# KiCad board TERES_PCB1-A64-MAIN_Rev.B.kicad_pcb (continued)
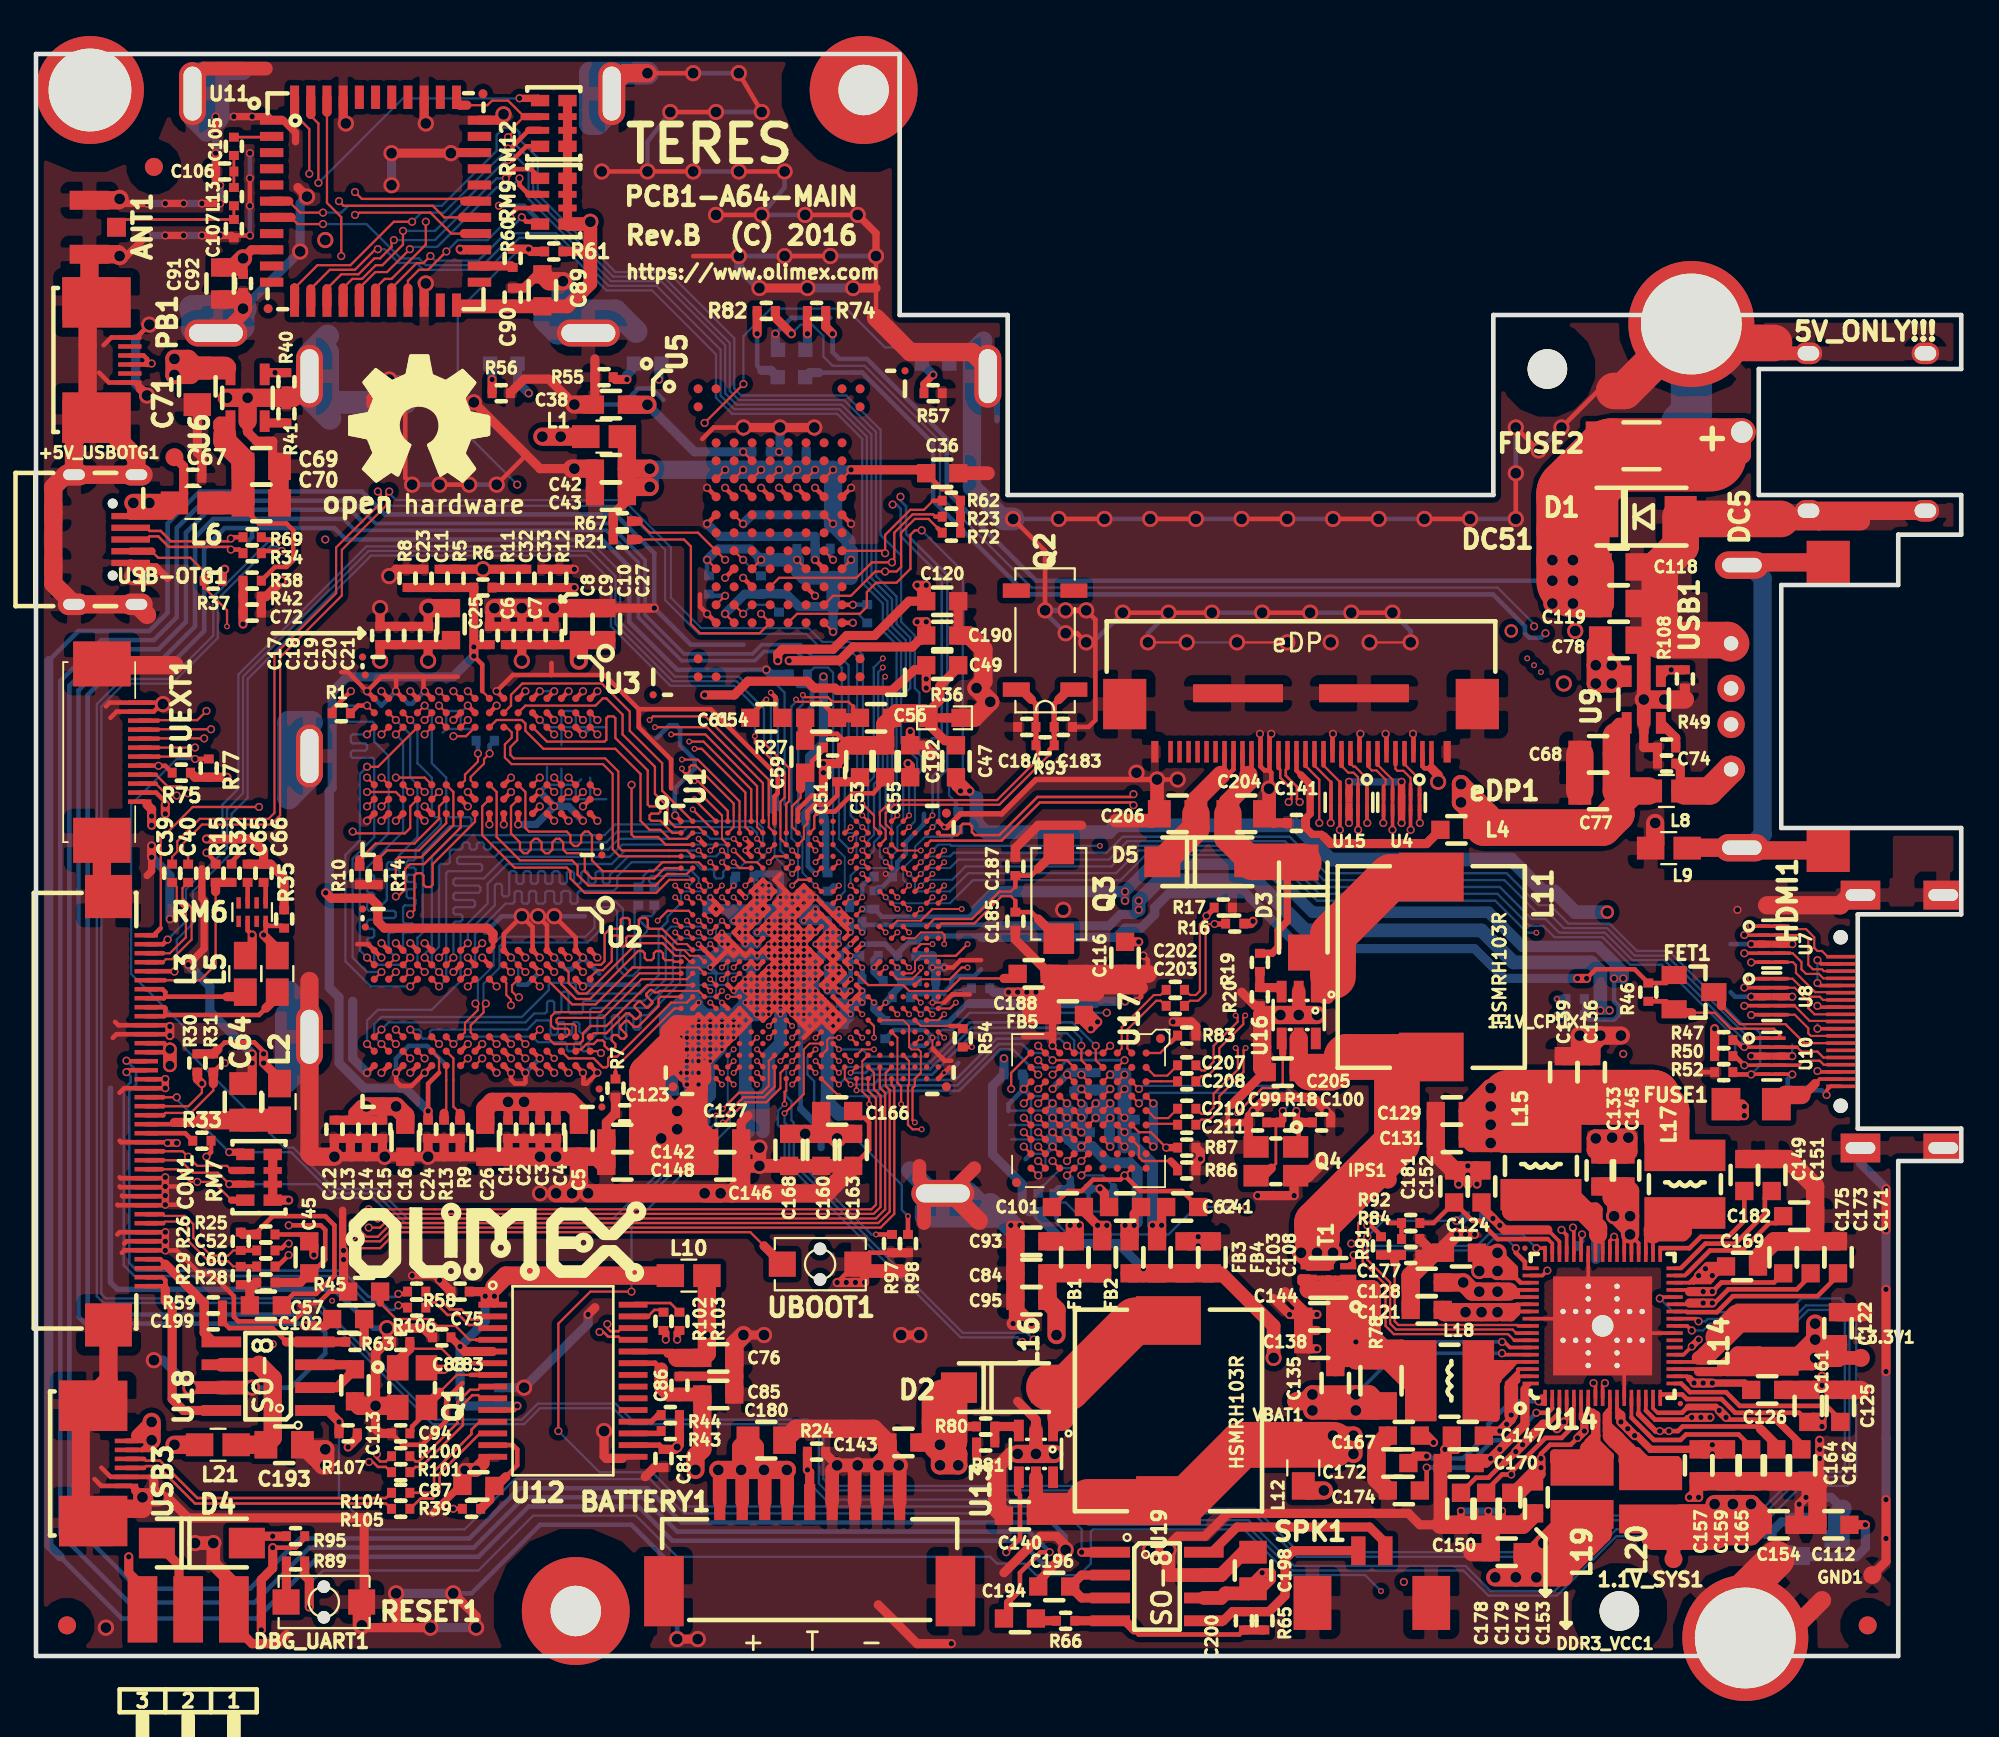
[diagram p0: board, top side]
## Nets (continued)
/NAND Flash , eMMC, T-Card and Audio/MBIAS: C45.2 R25.2 U1.E14
/NAND Flash , eMMC, T-Card and Audio/MICIN1_N: C60.2 U1.B16
/NAND Flash , eMMC, T-Card and Audio/MICIN1_P: C52.2 U1.B15
/NAND Flash , eMMC, T-Card and Audio/MICIN2_N: C40.1 U1.A17
/NAND Flash , eMMC, T-Card and Audio/MICIN2_P: C39.1 U1.B17
/NAND Flash , eMMC, T-Card and Audio/SDC0-CLK: R33.2 U1.AC8
/NAND Flash , eMMC, T-Card and Audio/SDC0-CMD: CON1.20 R31.1 U1.W9
/NAND Flash , eMMC, T-Card and Audio/SDC0-D0: CON1.16 RM7.3.2 U1.W13
/NAND Flash , eMMC, T-Card and Audio/SDC0-D1: CON1.15 RM7.2.2 U1.AB10
/NAND Flash , eMMC, T-Card and Audio/SDC0-D2: CON1.22 RM7.4.2 U1.AB9
/NAND Flash , eMMC, T-Card and Audio/SDC0-D3: CON1.21 R30.1 U1.AB6
/NAND Flash , eMMC, T-Card and Audio/SDC0-DET#: CON1.14 RM7.1.2 U1.AB8
/NAND Flash , eMMC, T-Card and Audio/SDC2-CLK: R68.2 U1.G20
/NAND Flash , eMMC, T-Card and Audio/SDC2-CMD: R21.1 U1.K19 U5.P5
/NAND Flash , eMMC, T-Card and Audio/SDC2-D0: R67.1 U1.M21 U5.K2
/NAND Flash , eMMC, T-Card and Audio/SDC2-D1: R79.1 U1.L19 U5.N2
/NAND Flash , eMMC, T-Card and Audio/SDC2-D2: R76.1 U1.K20 U5.K3
/NAND Flash , eMMC, T-Card and Audio/SDC2-D3: R73.1 U1.H20 U5.N3
/NAND Flash , eMMC, T-Card and Audio/SDC2-D4: R72.1 U1.P18 U5.N8
/NAND Flash , eMMC, T-Card and Audio/SDC2-D5: R71.1 U1.L20 U5.K8
/NAND Flash , eMMC, T-Card and Audio/SDC2-D6: R70.1 U1.J21 U5.N9
/NAND Flash , eMMC, T-Card and Audio/SDC2-D7: R62.1 U1.R21 U5.K9
/NAND Flash , eMMC, T-Card and Audio/SDC2-RST: R23.1 U1.N20 U5.M5
/NAND Flash , eMMC, T-Card and Audio/SPKR_N: C199.1 CON1.3 CON1.4 R59.1 U18.5
/NAND Flash , eMMC, T-Card and Audio/SPKR_P: CON1.1 CON1.2 U18.8
/Power Supply, Extensions and MiPi-DSI/DC5SET: R84.2 R92.1 U14.62
/Power Supply, Extensions and MiPi-DSI/HS_DAT: EUEXT1.4 U1.G19
/Power Supply, Extensions and MiPi-DSI/HS_STR: EUEXT1.3 U1.H19
/Power Supply, Extensions and MiPi-DSI/LIDSW: HALLSW1.2 R110.1 U1.V9
/R_S0SCK_N: R4.2 U1.G3
/R_S0SCK_P: R3.2 U1.G2
/S0SA0: U1.P5 U2.N3 U3.N3
/S0SA1: U1.R4 U2.P7 U3.P7
/S0SA2: U1.N5 U2.P3 U3.P3
/S0SA3: U1.N6 U2.N2 U3.N2
/S0SA4: U1.P6 U2.P8 U3.P8
/S0SA5: U1.G4 U2.P2 U3.P2
/S0SA6: U1.F3 U2.R8 U3.R8
/S0SA7: U1.E4 U2.R2 U3.R2
/S0SA8: U1.D3 U2.T8 U3.T8
/S0SA9: U1.C4 U2.R3 U3.R3
/S0SA10: U1.M4 U2.L7 U3.L7
/S0SA11: U1.U4 U2.R7 U3.R7
/S0SA12: U1.K5 U2.N7 U3.N7
/S0SA13: U1.E8 U2.T3 U3.T3
/S0SA14: U1.K4 U2.T7 U3.T7
/S0SA15: U1.T4 U2.M7 U3.M7
/S0SBA0: U1.D8 U2.M2 U3.M2
/S0SBA1: U1.R3 U2.N8 U3.N8
/S0SBA2: U1.C6 U2.M3 U3.M3
/S0SCAS: U1.C9 U2.K3 U3.K3
/S0SCK_N: R2.1 R4.1 U2.K7 U3.K7
/S0SCK_P: R2.2 R3.1 U2.J7 U3.J7
/S0SCKE0: U1.J3 U2.K9 U3.K9
/S0SCKE1: U1.H6 U2.J9 U3.J9
/S0SCS0: U1.E5 U2.L2 U3.L2
/S0SCS1: U1.H5 U2.L1 U3.L1
/S0SDQ0: U1.L3 U2.F7
/S0SDQ1: U1.G1 U2.G2
/S0SDQ2: U1.H3 U2.F2
/S0SDQ3: U1.K1 U2.H7
/S0SDQ4: U1.H2 U2.E3
/S0SDQ5: U1.H1 U2.H3
/S0SDQ6: U1.L1 U2.H8
/S0SDQ7: U1.L2 U2.F8
/S0SDQ8: U1.T3 U2.A7
/S0SDQ9: U1.T2 U2.C8
/S0SDQ10: U1.T1 U2.B8
/S0SDQ11: U1.R2 U2.D7
/S0SDQ12: U1.N3 U2.A3
/S0SDQ13: U1.N2 U2.C2
/S0SDQ14: U1.N1 U2.C3
/S0SDQ15: U1.M2 U2.A2
/S0SDQ16: U1.E3 U3.F7
/S0SDQ17: U1.F2 U3.H8
/S0SDQ18: U1.E2 U3.H7
/S0SDQ19: U1.E1 U3.F8
/S0SDQ20: U1.B1 U3.E3
/S0SDQ21: U1.B2 U3.H3
/S0SDQ22: U1.A2 U3.G2
/S0SDQ23: U1.B3 U3.F2
/S0SDQ24: U1.C5 U3.B8
/S0SDQ25: U1.B4 U3.D7
/S0SDQ26: U1.A4 U3.C8
/S0SDQ27: U1.A5 U3.A7
/S0SDQ28: U1.A7 U3.C3
/S0SDQ29: U1.A8 U3.C2
/S0SDQ30: U1.B8 U3.A3
/S0SDQ31: U1.B9 U3.A2
/S0SDQM0: U1.J2 U2.E7
/S0SDQM1: U1.P3 U2.D3
/S0SDQM2: U1.C2 U3.E7
/S0SDQM3: U1.B7 U3.D3
/S0SDQS0_N: U1.K2 U2.G3
/S0SDQS0_P: U1.K3 U2.F3
/S0SDQS1_N: U1.P2 U2.B7
/S0SDQS1_P: U1.P1 U2.C7
/S0SDQS2_N: U1.D1 U3.G3
/S0SDQS2_P: U1.D2 U3.F3
/S0SDQS3_N: U1.B5 U3.B7
/S0SDQS3_P: U1.B6 U3.C7
/S0SODT0: U1.D5 U2.K1 U3.K1
/S0SODT1: U1.E7 U2.J1 U3.J1
/S0SRAS: U1.F7 U2.J3 U3.J3
/S0SRST: R1.1 U1.D10 U2.T2 U3.T2
/S0SVREF: C22.2 C32.1 C33.2 R6.2 R11.1 R12.2 U1.G5
/S0SWE: U1.C8 U2.L3 U3.L3
/USB&HDMI,WiFi&BT,Ethernet,LCD/AP-WAKE-BT: U1.B20 U11.6
/USB&HDMI,WiFi&BT,Ethernet,LCD/BT-PCM-CLK: U1.AB18 U11.26
/USB&HDMI,WiFi&BT,Ethernet,LCD/BT-PCM-DIN: U1.AC19 U11.27
/USB&HDMI,WiFi&BT,Ethernet,LCD/BT-PCM-DOUT: U1.U22 U11.25
/USB&HDMI,WiFi&BT,Ethernet,LCD/BT-PCM-SYNC: U1.AB19 U11.28
/USB&HDMI,WiFi&BT,Ethernet,LCD/BT-RST-N: RM12.3.2 U1.A20 U11.34
/USB&HDMI,WiFi&BT,Ethernet,LCD/BT-UART-CTS: U1.AC17 U11.44
/USB&HDMI,WiFi&BT,Ethernet,LCD/BT-UART-RX: RM12.4.2 U1.AB17 U11.43
/USB&HDMI,WiFi&BT,Ethernet,LCD/BT-UART-TX: U1.U23 U11.42
/USB&HDMI,WiFi&BT,Ethernet,LCD/BT-WAKE-AP: U1.D19 U11.7
/USB&HDMI,WiFi&BT,Ethernet,LCD/HCEC: FET1.2 R46.2 U1.F21 U10.1 U10.10
/USB&HDMI,WiFi&BT,Ethernet,LCD/HHPD: R51.1 R52.1 U1.E21 U10.5 U10.6
/USB&HDMI,WiFi&BT,Ethernet,LCD/HSCL: HDMI1.15 R47.2 U1.G21 U10.2 U10.9
/USB&HDMI,WiFi&BT,Ethernet,LCD/HSDA: HDMI1.16 R50.2 U1.E20 U10.4 U10.7
/USB&HDMI,WiFi&BT,Ethernet,LCD/HTX0_N: HDMI1.9 U1.G23 U8.2 U8.9
/USB&HDMI,WiFi&BT,Ethernet,LCD/HTX0_P: HDMI1.7 U1.G22 U8.1 U8.10
/USB&HDMI,WiFi&BT,Ethernet,LCD/HTX1_N: HDMI1.6 U1.F22 U7.5 U7.6
/USB&HDMI,WiFi&BT,Ethernet,LCD/HTX1_P: HDMI1.4 U1.E23 U7.4 U7.7
/USB&HDMI,WiFi&BT,Ethernet,LCD/HTX2_N: HDMI1.3 U1.E22 U7.2 U7.9
/USB&HDMI,WiFi&BT,Ethernet,LCD/HTX2_P: HDMI1.1 U1.D23 U7.1 U7.10
/USB&HDMI,WiFi&BT,Ethernet,LCD/HTXC_N: HDMI1.12 U1.H23 U8.5 U8.6
/USB&HDMI,WiFi&BT,Ethernet,LCD/HTXC_P: HDMI1.10 U1.H22 U8.4 U8.7
/USB&HDMI,WiFi&BT,Ethernet,LCD/HUSB1-D+: R103.1 USB1.3
/USB&HDMI,WiFi&BT,Ethernet,LCD/HUSB1-D-: R102.1 USB1.2
/USB&HDMI,WiFi&BT,Ethernet,LCD/HUSB1-D_N: R102.2 U12.27
/USB&HDMI,WiFi&BT,Ethernet,LCD/HUSB1-D_P: R103.2 U12.28
/USB&HDMI,WiFi&BT,Ethernet,LCD/HUSB4-D+: R105.1 USB3.4
/USB&HDMI,WiFi&BT,Ethernet,LCD/HUSB4-D-: R104.1 USB3.3
/USB&HDMI,WiFi&BT,Ethernet,LCD/HUSB4-D_N: R104.2 U12.11
/USB&HDMI,WiFi&BT,Ethernet,LCD/HUSB4-D_P: R105.2 U12.12
/USB&HDMI,WiFi&BT,Ethernet,LCD/LED-CAPSLOCK: LED2.2 U1.AC5
/USB&HDMI,WiFi&BT,Ethernet,LCD/LED-NUMLOCK: LED1.2 U1.AC7
/USB&HDMI,WiFi&BT,Ethernet,LCD/LED-POWER: LED3.2 U1.AB5
/USB&HDMI,WiFi&BT,Ethernet,LCD/USB0-ID: R37.1 U1.AA8 USB-OTG1.4
/USB&HDMI,WiFi&BT,Ethernet,LCD/USB0-VBUSDET: C72.2 R38.1 R42.2 U1.AB4
/USB&HDMI,WiFi&BT,Ethernet,LCD/USB1-D_N: U1.C22 U12.25
/USB&HDMI,WiFi&BT,Ethernet,LCD/USB1-D_P: U1.B23 U12.26
/USB&HDMI,WiFi&BT,Ethernet,LCD/USB1-DRV: R108.2 U1.C19 U9.4
/USB&HDMI,WiFi&BT,Ethernet,LCD/WL-PMU-EN: RM12.2.2 U1.A19 U11.12
/USB&HDMI,WiFi&BT,Ethernet,LCD/WL-SDIO-CLK: R54.2 U1.V21
/USB&HDMI,WiFi&BT,Ethernet,LCD/WL-SDIO-CMD: RM9.3.2 U1.U20 U11.16
/USB&HDMI,WiFi&BT,Ethernet,LCD/WL-SDIO-D0: RM9.1.2 U1.U19 U11.18
/USB&HDMI,WiFi&BT,Ethernet,LCD/WL-SDIO-D1: RM9.2.2 U1.V22 U11.19
/USB&HDMI,WiFi&BT,Ethernet,LCD/WL-SDIO-D2: RM9.4.2 U1.Y21 U11.14
/USB&HDMI,WiFi&BT,Ethernet,LCD/WL-SDIO-D3: RM12.1.2 U1.W23 U11.15
/USB&HDMI,WiFi&BT,Ethernet,LCD/WL-WAKE-AP: U1.E19 U11.13
/VREF0_DDR3: C11.2 C23.1 C24.1 C25.1 R5.1 R6.1 R8.2 U2.H1 U2.M8 U3.H1 U3.M8
AP-CK32KO: R60.2 R61.1 U1.B18
AP-NMI#: R85.1 U1.G18 U14.61
AP-RESET#: C156.2 R89.2 U1.E17 U14.46
eDP_1.2V: C84.1 C95.1 C164.2 FB1.1 FB2.1 U14.14
eDP_2.5V: C103.1 C108.1 C162.2 C209.1 FB3.1 FB4.1 R94.1 R99.1 U1.U16 U14.16
FC_HPDET: CON1.35 R15.1 R32.1
FC_HPOUTFB: CON1.36 U1.C10
FC_HPOUTL: CON1.31 CON1.32 L5.2
FC_HPOUTR: CON1.33 CON1.34 L3.2
HUSB2-D_N: R58.2 U12.2
HUSB2-D_P: R106.2 U12.3
HUSB3-D_N: R100.1 U12.8
HUSB3-D_P: R101.1 U12.9
IC-CLK: EUEXT1.9 U1.P20
IC-CS: EUEXT1.10 U1.P19
IC-MISO: EUEXT1.8 U1.K18
IC-MOSI: EUEXT1.7 U1.T21
IPS: C126.2 C128.1 C133.2 C140.2 C145.2 C147.1 C153.2 C157.2 C159.2 C167.2 C169.1 C176.2 C205.1 CHGLED1.2 IPS1.1 L11.1 L12.2 L16.1 L21.2 T1.4 T1.8 U13.5 U14.4 U14.6 U14.11 U14.15 U14.19 U14.22 U14.32 U14.38 U14.39 U14.40 U14.55 U14.56 U14.66 U14.67 U16.5
PA-ENABLE: R107.1 U1.D22 U18.1 U19.1
PMU-SCK: R88.1 U1.D17 U14.47
PMU-SDA: R90.1 U1.C17 U14.48
T_BAT: BATTERY1.5 R24.1 U14.30
TWI0-SCK: R99.2 U1.W11 U17.E8
TWI0-SDA: R94.2 U1.AA10 U17.E9
TWI1-SCK: EUEXT1.5 R75.2 U1.AC4
TWI1-SDA: EUEXT1.6 R77.2 U1.AA9
USB0-D_N: R69.2 U1.B22 USB-OTG1.2
USB0-D_P: R34.2 U1.A22 USB-OTG1.3
USB0-DRV: R40.2 U6.4 U14.51
USB5V: C68.2 C77.2 CON1.27 CON1.28 L4.2 L8.1 U9.1
Net-(ANT1-Pad1): ANT1.1 C107.2 L13.2
Net-(C35-Pad2): C35.2 C36.2 C42.1 C43.1 C44.1 L1.2 R21.2 R23.2 R62.2 R67.2 R70.2 R71.2 R72.2 R73.2 R76.2 R79.2 U5.F2 U5.F3 U5.F4 U5.F5 U5.F6 U5.F7 U5.F8 U5.F9 U5.H3 U5.H8 U5.L2 U5.L4 U5.L7 U5.L9 U5.P3 U5.P8
Net-(C37-Pad2): C37.2 C38.2 U5.E4
Net-(C39-Pad2): C39.2 CON1.38
Net-(C40-Pad2): C40.2 CON1.37
Net-(C51-Pad1): C51.1 C53.1 U1.C11
Net-(C54-Pad2): C54.2 C56.2 U1.F12 U1.G13
Net-(C55-Pad1): C55.1 U1.B12
Net-(C57-Pad1): C57.1 R28.1 R29.2
Net-(C57-Pad2): C57.2 R25.1 R26.2
Net-(C59-Pad1): C59.1 R27.1 U1.B11
Net-(C61-Pad1): C61.1 U1.E11
Net-(C61-Pad2): C61.2 U1.E10
Net-(C64-Pad1): C64.1 CON1.19 L2.2
Net-(C65-Pad2): C65.2 RM6.2.2
Net-(C66-Pad2): C66.2 RM6.4.2
Net-(C69-Pad2): C69.2 C70.2 L6.1 R38.2 U6.1
Net-(C74-Pad1): C74.1 L8.2 USB1.1
Net-(C75-Pad1): C75.1 C82.1 C83.1 L10.2 U12.1 U12.5 U12.10
Net-(C76-Pad1): C76.1 C81.1 L10.1 R43.1 R44.1 U12.16 U12.24
Net-(C87-Pad1): C87.1 R39.2 U12.13
Net-(C88-Pad1): C88.1 Q1.1 U12.6
Net-(C94-Pad1): C94.1 Q1.2 U12.7
Net-(C99-Pad1): C99.1 Q4.2 R18.2 U17.B4
Net-(C100-Pad2): C100.2 Q4.1 R18.1 U17.B3
Net-(C102-Pad1): C102.1 R63.2
Net-(C105-Pad1): C105.1 U11.2
Net-(C105-Pad2): C105.2 C106.2 L13.1
Net-(C113-Pad1): C113.1 U18.2 U18.3
Net-(C114-Pad2): C114.2 C195.2 R48.2 U1.N19 U1.U18
Net-(C118-Pad2): C118.2 C119.2 C121.1 D1.C DC5.1 DC51.1 FUSE2.1 FUSE2.2 R74.1 U14.57 U14.58
Net-(C125-Pad2): C125.2 U14.18
Net-(C135-Pad1): C135.1 C138.1 C144.1 L18.1 R78.1 T1.1 T1.2 T1.5 T1.6 T1.7 U14.63
Net-(C141-Pad1): C141.1 eDP1.16 L4.1
Net-(C149-Pad1): C149.1 U14.35
Net-(C151-Pad1): C151.1 U14.34
Net-(C165-Pad2): C165.2 U14.13
Net-(C172-Pad2): C172.2 U14.1
Net-(C174-Pad2): C174.2 U14.2
Net-(C177-Pad2): C177.2 R91.2 U14.60
Net-(C181-Pad2): C181.2 R92.2 U14.50
Net-(C182-Pad2): C182.2 U14.33
Net-(C183-Pad1): C183.1 Q2.2 R93.1 U1.B19
Net-(C184-Pad1): C184.1 Q2.1 R93.2 U1.C18
Net-(C185-Pad1): C185.1 Q3.1 U1.K23
Net-(C187-Pad1): C187.1 Q3.2 U1.K22
Net-(C188-Pad2): C188.2 U1.P16
Net-(C192-Pad2): C192.2 U1.G16
Net-(C193-Pad1): C193.1 L21.1 U18.6
Net-(C194-Pad1): C194.1 R66.2
Net-(C196-Pad1): C196.1 U19.2 U19.3
Net-(C198-Pad1): C198.1 L12.1 U19.6
Net-(C199-Pad2): C199.2 R59.2 R63.1 U18.4
Net-(C200-Pad1): C200.1 R65.1 SPK1.1 U19.5
Net-(C200-Pad2): C200.2 R65.2 R66.1 U19.4
Net-(CHGLED1-Pad1): CHGLED1.1 R82.2
Net-(CON1-Pad18): CON1.18 R33.1
Net-(D2-Pad2): D2.2 L16.2 U13.1
Net-(D3-Pad2): D3.2 L11.2 U16.1
Net-(D4-Pad1): D4.1 DBG_UART1.2
Net-(D4-Pad2): D4.2 R95.1 U1.Y7
Net-(DBG_UART1-Pad3): DBG_UART1.3 U1.V10
Net-(eDP1-Pad25): eDP1.25
Net-(eDP1-Pad26): eDP1.26
Net-(eDP1-Pad27): eDP1.27
Net-(eDP1-Pad28): eDP1.28
Net-(eDP1-Pad29): eDP1.29
Net-(eDP1-Pad30): eDP1.30
Net-(FET1-Pad3): FET1.3 HDMI1.13
Net-(FUSE1-Pad2): FUSE1.2 HDMI1.18
Net-(HDMI1-Pad14): HDMI1.14
Net-(HDMI1-Pad19): HDMI1.19 R51.2
Net-(L9-Pad2): L9.2 USB1.0
Net-(L14-Pad1): L14.1 U14.21
Net-(L15-Pad1): L15.1 U14.43 U14.44
Net-(L17-Pad1): L17.1 U14.36 U14.37
Net-(L18-Pad2): L18.2 U14.65
Net-(L19-Pad1): L19.1 U14.7
Net-(L20-Pad1): L20.1 U14.10
Net-(LED1-Pad1): LED1.1 R55.1
Net-(LED2-Pad1): LED2.1 R56.1
Net-(LED3-Pad1): LED3.1 R57.1
Net-(PB1-Pad2): PB1.2
Net-(PB1-Pad3): PB1.3 PB1.4 R91.1
Net-(PB1-Pad5): PB1.5
Net-(PWRLED1-Pad2): PWRLED1.2 R74.2
Net-(R7-Pad2): R7.2 U1.U1
Net-(R9-Pad1): R9.1 U2.L8
Net-(R10-Pad1): R10.1 U3.L8
Net-(R13-Pad1): R13.1 U2.L9
Net-(R14-Pad1): R14.1 U3.L9
Net-(R19-Pad2): R19.2 R20.1 U16.3
Net-(R22-Pad1): R22.1 R53.1 U17.F9
Net-(R34-Pad1): R34.1 U14.26
Net-(R41-Pad2): R41.2 U6.3
Net-(R43-Pad2): R43.2 U12.17
Net-(R44-Pad2): R44.2 U12.18
Net-(R45-Pad2): R45.2 U12.4
Net-(R49-Pad2): R49.2 U9.3
Net-(R54-Pad1): R54.1 U11.17
Net-(R60-Pad1): R60.1 U11.24
Net-(R68-Pad1): R68.1 U5.P6
Net-(R69-Pad1): R69.1 U14.27
Net-(R80-Pad2): R80.2 R81.1 U13.3
Net-(R82-Pad1): R82.1 U14.53
Net-(R83-Pad1): R83.1 U17.A1
Net-(R86-Pad1): R86.1 U17.B7
Net-(R89-Pad1): R89.1 RESET1.1
Net-(R96-Pad1): R96.1 U1.H14
Net-(R97-Pad1): R97.1 U1.AA11
Net-(R98-Pad1): R98.1 U1.AA12
Net-(R109-Pad2): R109.2 U1.U21
Net-(SPK1-Pad2): SPK1.2 U19.8
Net-(T1-Pad3): T1.3 U14.52
Net-(U1-PadA13): U1.A13
Net-(U1-PadA14): U1.A14
Net-(U1-PadA16): U1.A16
Net-(U1-PadAA5): U1.AA5
Net-(U1-PadAA6): U1.AA6
Net-(U1-PadAA7): U1.AA7
Net-(U1-PadAA18): U1.AA18
Net-(U1-PadAA19): U1.AA19
Net-(U1-PadAA21): U1.AA21
Net-(U1-PadAA22): U1.AA22
Net-(U1-PadAB7): U1.AB7
Net-(U1-PadAB20): U1.AB20
Net-(U1-PadAB21): U1.AB21
Net-(U1-PadAB22): U1.AB22
Net-(U1-PadAB23): U1.AB23
Net-(U1-PadAC20): U1.AC20
Net-(U1-PadAC22): U1.AC22
Net-(U1-PadB13): U1.B13
Net-(U1-PadB14): U1.B14
Net-(U1-PadB21): U1.B21
Net-(U1-PadC14): U1.C14
Net-(U1-PadC20): U1.C20
Net-(U1-PadD14): U1.D14
Net-(U1-PadD20): U1.D20
Net-(U1-PadD21): U1.D21
Net-(U1-PadE16): U1.E16
Net-(U1-PadF16): U1.F16
Net-(U1-PadF17): U1.F17 UBOOT1.1
Net-(U1-PadL22): U1.L22
Net-(U1-PadL23): U1.L23
Net-(U1-PadM22): U1.M22
Net-(U1-PadN22): U1.N22
Net-(U1-PadN23): U1.N23
Net-(U1-PadP22): U1.P22
Net-(U1-PadP23): U1.P23
Net-(U1-PadR22): U1.R22
Net-(U1-PadT19): U1.T19
Net-(U1-PadT20): U1.T20
Net-(U1-PadT22): U1.T22
Net-(U1-PadT23): U1.T23
Net-(U1-PadW7): U1.W7
Net-(U1-PadW8): U1.W8
Net-(U1-PadW10): U1.W10
Net-(U1-PadW17): U1.W17
Net-(U1-PadW20): U1.W20
Net-(U1-PadW21): U1.W21
Net-(U1-PadW22): U1.W22
Net-(U1-PadY6): U1.Y6
Net-(U1-PadY8): U1.Y8
Net-(U1-PadY10): U1.Y10
Net-(U1-PadY17): U1.Y17
Net-(U1-PadY19): U1.Y19
Net-(U1-PadY22): U1.Y22
Net-(U1-PadY23): U1.Y23
Net-(U11-Pad3): U11.3
Net-(U11-Pad4): U11.4
Net-(U11-Pad5): U11.5
Net-(U11-Pad8): U11.8
Net-(U11-Pad10): U11.10
Net-(U11-Pad11): U11.11
Net-(U11-Pad21): U11.21
Net-(U11-Pad23): U11.23
Net-(U11-Pad29): U11.29
Net-(U11-Pad30): U11.30
Net-(U11-Pad32): U11.32
Net-(U11-Pad35): U11.35
Net-(U11-Pad37): U11.37
Net-(U11-Pad38): U11.38
Net-(U11-Pad39): U11.39
Net-(U11-Pad40): U11.40
Net-(U12-Pad19): U12.19
Net-(U12-Pad20): U12.20
Net-(U12-Pad21): U12.21
Net-(U12-Pad22): U12.22
Net-(U13-Pad6): U13.6
Net-(U14-Pad23): U14.23
Net-(U14-Pad24): U14.24
Net-(U17-PadA8): U17.A8
Net-(U17-PadA9): U17.A9
Net-(U17-PadB2): U17.B2
Net-(U17-PadB5): U17.B5
Net-(U17-PadB8): U17.B8
Net-(U17-PadC8): U17.C8
Net-(U17-PadC9): U17.C9
Net-(U17-PadD8): U17.D8
Net-(U17-PadD9): U17.D9
Net-(U17-PadE1): U17.E1
Net-(U17-PadJ5): U17.J5

Pads without a net: NOREF Fid1; NOREF#2 Fid1; NOREF#3 Fid1; NOREF#6 Fid1; NOREF#7 Fid1; NOREF#8 Fid1; Q2 3 4; RM6 1.1 1.2 3.1 3.2; U1 fid1 fid2 fid3; U2 FID1 FID2 FID3 FID4; U3 FID1 FID2 FID3 FID4; U5 A1 A2 A9 A10 B1 B10 D2 D3 D4 D5 D6 D7 D8 D9 E2 E3 E5 E6 E7 E8 E9 FID1 FID3 H4 H5 H6 H7 J2 J3 J4 J5 J6 J7 J8 J9 K4 K5 K6 K7 L5 L6 M2 M3 M6 M8 M9 N4 N5 N6 N7 P4 P7 T1 T10 U1 U2 U9 U10; U11 FID1 FID2; U14 Fid1 Fid2; U16 6; U17 0

## Via types
v1: diameter 0.9, hole 0.6, Top to Bottom, 258 vias
v2: diameter 0.45, hole 0.3, Top to Bottom, 688 vias
v3: diameter 0.75, hole 0.5, Top to Bottom, 6 vias
v4: diameter 0.327, hole 0.2, Top to Bottom, 293 vias
v5: diameter 0.406, hole 0.254, Top to Bottom, 44 vias
v6: diameter 0.6, hole 0.4, Top to Bottom, 2 vias

## Routing (per net, layer and track width the routed paths; a pad name or vN(x,y) marks a point on that pad's centre or on a via; arc(x,y) is an arc through that point)
1.1V_CPUS: length 141.1
  Top w0.127: U1.H15 v4(45.28,42.15)
  Top w0.203: U14.5 85.47,12.8
  Top w0.254: 85.47,12.8 84.78,12.12 83.9,12.12 81.99,10.21 v2(81.99,10.08) 81.48,10.08 80.59,9.19 C179.2
  Top w0.508: v2(41.22,55.3) 41.22,55.68 41.48,55.93 44.3,55.93 45.06,56.69 46.61,56.69 48.52,58.6 49.48,58.6 49.48,59.23 ; 49.48,59.23 49.22,59.23 v2(48.97,59.49) v2(49.48,59.49) 49.48,59.23
  In2.Cu w0.508: v2(48.97,59.49) v2(49.48,59.49) 51.51,61.52 78.56,61.52 82.25,57.84 83.64,57.84 83.9,57.58 84.91,57.58 v1(85.55,56.95)
  In3.Cu w0.254: v4(45.28,42.15) 46.35,43.23 46.35,47.55 44.32,49.58 44.32,50.09 44.06,50.34 43.64,50.34 41.35,52.63 41.35,53.9 41.22,54.03 v2(41.22,55.3)
  In3.Cu w0.508: v2(81.99,10.08) 82.88,9.19 84.53,9.19 84.78,9.45 87.07,9.45 88.34,10.72 89.99,10.72 91.77,12.5 94.18,12.5 94.69,13 94.69,18.47 96.22,19.99 96.22,23.04 95.58,23.67 95.58,30.78 92.66,33.71 92.66,37.13 90.63,39.17 88.59,39.17 88.21,39.55 88.21,41.71 87.32,42.6 87.32,52.12 85.8,53.65 85.8,56.44 85.55,56.69 v1(85.55,56.95)
  Bottom w0.406: v4(45.28,42.15) 45.28,41.67 C117.2
1.1V_CPUX: length 272.9
  Top w0.203: 39.43,35 39.75,35.33 39.43,35.65
  Top w0.254: v4(38.78,35) U1.V5 ; v4(38.78,35) U1.W5 ; v4(38.78,35) 39.1,34.67 ; v4(38.78,35) U1.V6 ; U1.V5 38.12,35.65 U1.V4 ; U1.V5 38.78,35.65 ; U1.V5 v5(38.12,35) ; v5(37.47,35) U1.V3 ; v5(37.47,35) U1.W3 ; v5(37.47,35) U1.V4 ; v5(37.47,35) U1.W4 ; U1.V3 37.47,35.65 U1.V4 ; U1.V3 36.82,35.65 U1.V2 ; U1.V3 v5(36.82,35) ; v5(38.12,34.35) U1.W4 ; v5(38.12,34.35) U1.W5 ; v5(38.12,34.35) 38.45,34.03 ; v5(38.12,34.35) U1.Y4 ; U1.W4 v5(38.12,35) ; U1.W4 v5(37.47,34.35) ; v4(38.12,33.7) U1.Y4 ; v4(38.12,33.7) 38.45,34.03 ; v4(38.12,33.7) 37.8,33.38 ; U1.Y4 v5(37.47,34.35) ; U1.Y4 v5(37.47,33.7) ; v4(37.47,33.05) U1.AA3 ; v4(37.47,33.05) 37.8,33.38 ; v4(37.47,33.05) 37.15,32.72 ; U1.AA3 v5(36.82,33.05) ; U1.AA3 v5(37.47,33.7) ; U1.AA3 v5(36.82,33.7) ; v5(36.82,34.35) U1.W3 ; v5(36.82,34.35) 36.5,34.67 ; v5(36.82,34.35) U1.Y3 ; v5(36.82,34.35) U1.Y2 ; U1.W3 v5(37.47,34.35) ; U1.W3 v5(36.82,35) ; v5(36.82,33.05) U1.AB2 ; v5(36.82,33.05) 36.5,33.38 ; v5(36.82,33.05) 37.15,32.72 ; U1.AB2 v5(36.18,33.05) ; U1.AB2 v5(36.82,32.4) ; U1.AB2 v5(36.18,32.4) ; 38.78,35.65 U1.V6 ; 38.78,35.65 U1.U6 39.43,35.65 U1.V6 ; U1.V6 39.43,35 39.1,34.67 ; v5(36.82,31.75) U1.AC2 ; U1.AC2 v5(36.18,31.75) U1.AC1 ; U1.AC2 v5(36.82,32.4) ; U1.AC2 v5(36.18,32.4) ; 35.85,34.03 v5(36.18,34.35) ; 35.85,34.03 35.53,34.35 U1.W1 ; 35.85,34.03 35.53,33.7 U1.AA1 ; 35.85,34.03 v5(36.18,33.7) ; v5(36.18,34.35) 36.5,34.67 ; v5(36.18,34.35) U1.W1 ; v5(36.18,34.35) U1.Y2 ; 35.85,32.72 v5(36.18,32.4) ; 35.85,32.72 35.53,32.4 ; 35.85,32.72 35.53,33.05 U1.AA1 ; 35.85,32.72 v5(36.18,33.05) ; v5(36.18,32.4) U1.AC1 ; 35.53,32.4 35.2,32.72 ; 35.53,32.4 U1.AC1 ; U1.V4 v5(38.12,35) ; U1.V2 v5(36.82,35) ; U1.V2 36.18,35 ; U1.AA1 v5(36.18,33.7) ; U1.AA1 v5(36.18,33.05) ; 37.15,32.72 v5(36.82,32.4) ; 36.5,33.38 v5(36.18,33.05) ; 36.5,33.38 v5(36.18,33.7) ; 36.5,33.38 v5(36.82,33.7) ; 36.18,35 U1.W1 ; 36.18,35 36.5,34.67 ; 36.5,34.67 v5(36.82,35) ; 37.8,33.38 v5(37.47,33.7) ; 38.45,34.03 v4(38.78,34.35) ; 39.1,34.67 v4(38.78,34.35) ; v4(38.78,34.35) U1.W5 ; U1.Y3 v5(37.47,33.7) ; U1.Y3 v5(36.82,33.7) ; U1.Y3 v5(37.47,34.35) ; v5(36.82,33.7) U1.Y2 ; v5(36.18,33.7) U1.Y2 ; U1.W5 v5(38.12,35)
  Top w0.508: 35.8,35.1 36.03,35.33 U1.V2 ; 33.99,30.1 33.27,30.1 C123.2 ; C139.2 84.78,31.67 1.1V_CPUX1.1 ; v5(36.82,33.05) v5(36.82,32.4)
  Top w0.762: v5(36.82,31.75) 37.15,32.08 37.15,32.72
  Top w1.016: v1(80.85,28.5) 83.31,28.5 L15.2 82.96,29.52 v1(80.85,29.52) ; v1(80.85,28.5) 79.83,28.5 C131.2 79.58,29.39 ; v1(80.85,28.5) v1(80.85,29.52) ; v1(80.85,29.52) 80.72,29.39 79.58,29.39 ; v1(80.85,29.52) v1(80.85,30.53) ; 35.8,35.1 35.62,35.1 35.2,34.67 35.2,32.72 ; v1(34.75,28.75) 35.13,28.75 v1(35.64,29.26) v1(35.64,30.28) ; v1(34.75,28.75) C142.2 ; v1(34.75,28.75) C137.2 ; v1(34.75,28.75) 34.75,29.39 v1(35.64,30.28) ; C142.2 33.48,28.89 33.99,29.4 ; C142.2 33.48,27.99 ; 36.82,31.47 v1(35.64,30.28) ; 36.82,31.47 36.82,29.34 36.78,29.39 ; 36.82,31.47 v5(36.82,31.75) ; v1(35.64,30.28) 35.64,29.77 36.4,29.77 36.78,29.39 ; v1(35.64,30.28) 35.38,30.28 33.99,31.67 33.99,32.36 ; 36.78,29.39 C137.2 ; 33.48,27.99 C148.2 C146.2 37.41,27.99 ; 33.48,27.99 37.41,27.99 ; 37.41,27.99 37.16,27.99 37.41,27.99 ; 37.41,27.99 C137.2 ; v1(80.85,30.53) 80.59,30.28 C129.2 ; v1(80.85,30.53) v1(80.85,31.55) C129.2 ; 79.58,29.39 C129.2 ; 86.44,31.04 C136.2 C139.2 81.86,31.55
  Top w1.524: 90.63,28.75 91.57,27.81 L17.2
  Top w2.032: 33.99,29.39 33.99,32.36 35.2,33.58
  Top w2.54: 90.63,28.75 90.63,30.28 89.87,31.04
  Top w3.048: 86.44,31.04 86.56,31.04 ; 86.56,31.04 89.87,31.04 89.61,31.04 ; 86.56,31.04 81.86,31.04
  In3.Cu w0.254: v4(38.78,34.35) v5(38.12,34.35) ; v4(38.78,34.35) 38.78,34.67 ; v4(38.78,34.35) v4(38.12,33.7) v4(37.47,33.05) ; v4(37.47,33.05) v5(36.82,32.4) ; v4(37.47,33.05) 37.47,33.38
  In3.Cu w0.406: 36.82,32.72 37.47,33.38 v5(37.47,33.7) ; 36.82,32.72 v5(36.82,33.05) ; 36.82,32.72 v5(36.82,32.4) v5(36.82,31.75) 36.5,31.75 ; 36.5,31.75 v5(36.18,31.75) v5(36.18,32.4) v5(36.18,33.05) v5(36.18,33.7) v5(36.18,34.35) 36.5,34.67 ; 36.5,31.75 36.5,34.67 ; 36.5,34.67 v5(36.82,35) ; v5(36.82,35) 36.82,34.67 38.78,34.67 v4(38.78,35) v5(38.12,35) v5(37.47,35) v5(36.82,35) ; v5(36.82,33.7) v5(37.47,34.35)
  In3.Cu w0.508: 37.53,33.7 v5(37.47,33.7) ; v5(37.47,33.7) v5(37.47,34.35) ; v5(37.47,33.7) v5(36.82,33.05) v5(36.82,33.7) ; v5(37.47,33.7) v5(36.82,33.7) ; v5(36.82,33.7) v5(36.82,34.35) v5(37.47,34.35) ; v5(37.47,34.35) v5(38.12,34.35)
  In3.Cu w0.762: 38.18,34.35 37.53,33.7
  In3.Cu w1.016: 35.64,31.21 v1(35.64,30.28) v1(35.64,29.26) 35.13,28.75 v1(34.75,28.75) 34.75,30.4 ; 35.64,31.21 34.75,30.32 34.75,30.4 ; 35.64,31.21 v5(36.18,31.75) ; 34.75,30.4 34.75,31.62 v5(36.18,33.05)
  In4.Cu w0.107: 38.45,33.38 38.45,32.72 ; 38.45,33.38 39.1,33.38 ; 38.45,33.38 v4(38.12,33.7) ; 38.45,32.72 39.1,32.72 39.1,32.08 38.45,32.08 ; 38.45,32.72 38.45,32.08 ; 38.45,32.08 38.45,31.42 ; 38.45,32.08 37.8,32.08
  In4.Cu w0.127: 58.7,27.1 60,25.8 60,22.69 ; 58.7,27.1 54.4,27.1 ; 58.7,27.1 58.7,27.9 54.4,27.9
  In4.Cu w0.508: 52.78,21.51 47.45,21.51 43.64,25.32
  In4.Cu w1.016: 80.85,30.02 v1(80.85,30.53) v1(80.85,31.55) ; 80.85,30.02 79.71,30.02 ; 80.85,30.02 v1(80.85,29.52) v1(80.85,28.5) ; 75.64,27.23 72.97,27.23 72.47,26.72 66.75,26.72 62.72,22.69 59.67,22.69 58.5,21.51 52.78,21.51
  In4.Cu w2.286: 79.71,30.02 78.44,30.02
  In4.Cu w4.064: 34.24,25.83 34.24,24.56 35.89,22.91 39.95,22.91 42.24,25.2 42.24,25.32 43.64,25.32 ; 78.44,30.02 75.64,27.23
  Bottom w0.254: v4(38.12,33.7) v4(38.78,34.35) v4(38.78,35) ; v5(38.12,35) v4(38.78,35) ; v4(38.78,35) U1.W5
  Bottom w0.406: 36.82,34.67 v5(36.82,35) ; 36.82,34.67 36.52,34.67 C127.2 36.41,35 v5(36.82,35) ; 36.82,34.67 v5(36.82,34.35) ; v5(36.82,35) v5(37.47,35) v5(38.12,35) ; v5(36.82,33.7) 36.53,34 C134.2
  Bottom w0.508: 36.5,31.75 v5(36.82,31.75) v5(36.82,32.4) ; 36.5,31.75 36.5,31.41 C130.2 37.18,31.4 37.41,31.17 ; 36.5,31.75 v5(36.18,31.75) v5(36.18,32.4) ; U1.AC2 36.51,32.08 C132.2 36.51,34.34 ; 36.51,34.34 36.5,34.35 ; 36.51,34.34 36.18,34.34 v5(36.18,34.35) ; v5(36.18,34.35) v5(36.18,33.7) v5(36.18,33.05) v5(36.18,32.4) ; v5(36.18,34.35) 36.18,34.77 C127.2 ; 38.45,34.35 U1.W5 36.82,34.67 ; 36.82,34.03 v5(36.82,34.35) v5(38.12,34.35) ; 36.82,34.03 38.12,34.03 ; 36.82,34.03 v5(36.82,33.7) ; 37.15,33.7 v4(38.12,33.7) v4(37.47,33.05) ; 37.15,33.7 v5(36.82,33.7) ; 37.15,33.7 37.15,31.75 37.47,31.75 v4(37.47,33.05) ; v4(37.47,33.05) v5(37.47,33.7) ; 36.53,30.78 36.14,30.78 v1(35.64,30.28) ; v5(36.82,33.7) v5(36.82,33.05) v5(36.82,32.4) ; v5(36.18,32.4) v5(36.82,32.4)
  Bottom w0.762: 36.53,30.66 36.91,30.66 36.53,30.28 37.41,31.17 37.41,31.75
  Bottom w1.016: v1(35.64,29.26) 35.13,28.75 v1(34.75,28.75) 34.75,29.39 v1(35.64,30.28) v1(35.64,29.26) ; v1(35.64,29.26) 36.53,30.15 36.53,31.38 C130.2
1.1V_SYS: length 354.2
  Top w0.203: v2(87.2,15.16) 87.07,15.04 U14.9
  Top w0.254: v4(45.28,36.95) U1.T15 v4(44.62,36.95) U1.R14 ; 44.3,37.92 v4(43.97,38.25) U1.N14 ; 44.3,37.92 44.62,37.6 ; 44.3,37.92 43.97,37.6 ; 44.3,37.92 v4(44.62,38.25) ; U1.L13 v4(43.32,39.55) U1.M13 ; U1.L13 v4(43.97,39.55) ; U1.L13 v4(43.97,40.2) ; U1.J13 v4(43.32,41.5) U1.J12 ; U1.J13 43.32,40.85 U1.J12 ; U1.J13 U1.K14 ; U1.L14 v4(44.62,40.2) U1.K14 ; U1.L14 v4(44.62,39.55) U1.M14 ; U1.L14 v4(43.97,40.2) ; U1.L14 v4(43.97,39.55) ; v4(44.62,38.25) U1.N14 ; v4(44.62,38.25) 44.95,37.92 44.62,37.6 ; U1.N14 43.97,38.9 ; U1.N14 44.62,38.9 U1.M14 ; 44.62,37.6 U1.R14 ; 43.97,37.6 U1.R14 ; 43.97,37.6 U1.R13 v4(43.97,36.95) U1.R14 ; U1.M14 v4(43.97,39.55) ; U1.M14 43.97,38.9 ; 43.97,38.9 U1.M13 ; U1.M13 v4(43.97,39.55) ; U1.J12 v4(42.68,40.85) ; U1.K14 v4(43.97,40.2)
  Top w0.762: 1.1V_SYS1.1 91.01,6.02 91.52,6.53
  Top w1.016: 41.86,29.01 v1(42.75,29.01) 43.64,29.01 ; 93.17,7.16 93.68,6.66 95.33,6.66 C154.2 ; 94.94,8.05 95.32,8.42 v1(95.32,8.44) ; v1(95.32,8.44) 95.96,7.8 C154.2 ; v1(95.32,8.44) 94.31,8.44 v1(94.31,8.44) ; 91.52,7.16 91.52,6.4 89.87,6.4 89.74,6.53 L20.2 ; v1(94.31,8.44) 94.31,7.42 94.44,7.29 C154.2 ; v1(94.31,8.44) v1(93.29,8.44) ; 43.64,29.01 C166.2 ; 43.64,29.01 44.27,29.01 v1(44.53,28.75) 44.78,29.01 45.41,29.01
  Top w2.54: 93.17,7.16 91.52,7.16
  In3.Cu w0.254: v2(88.21,33.45) 88.21,30.15 90.75,27.61 90.75,19.48 90.37,19.1 90.37,16.18 89.36,15.16 v2(87.2,15.16)
  In4.Cu w0.107: 44.95,35 44.95,34.67 44.95,35 ; 44.95,35 44.95,34.03 ; 45.6,34.03 45.6,32.72 ; 45.6,34.03 45.6,35 ; 45.6,34.03 44.95,34.03 ; 45.6,32.72 45.6,32.08 42.68,32.08 ; 45.6,32.72 44.95,32.72 ; 44.95,34.03 44.95,33.38 ; 44.95,34.03 42.68,34.03 ; 44.95,32.72 44.95,33.38 ; 44.95,32.72 44.95,30.78 ; 44.95,32.72 42.68,32.72 ; 44.95,33.38 42.68,33.38 ; 42.68,32.08 43,32.08 42.68,32.08 ; 42.68,34.03 43,34.03 42.68,34.03 ; 46.9,34.03 46.25,34.03 46.25,35